# KiCad board austin.kicad_pcb (continued)
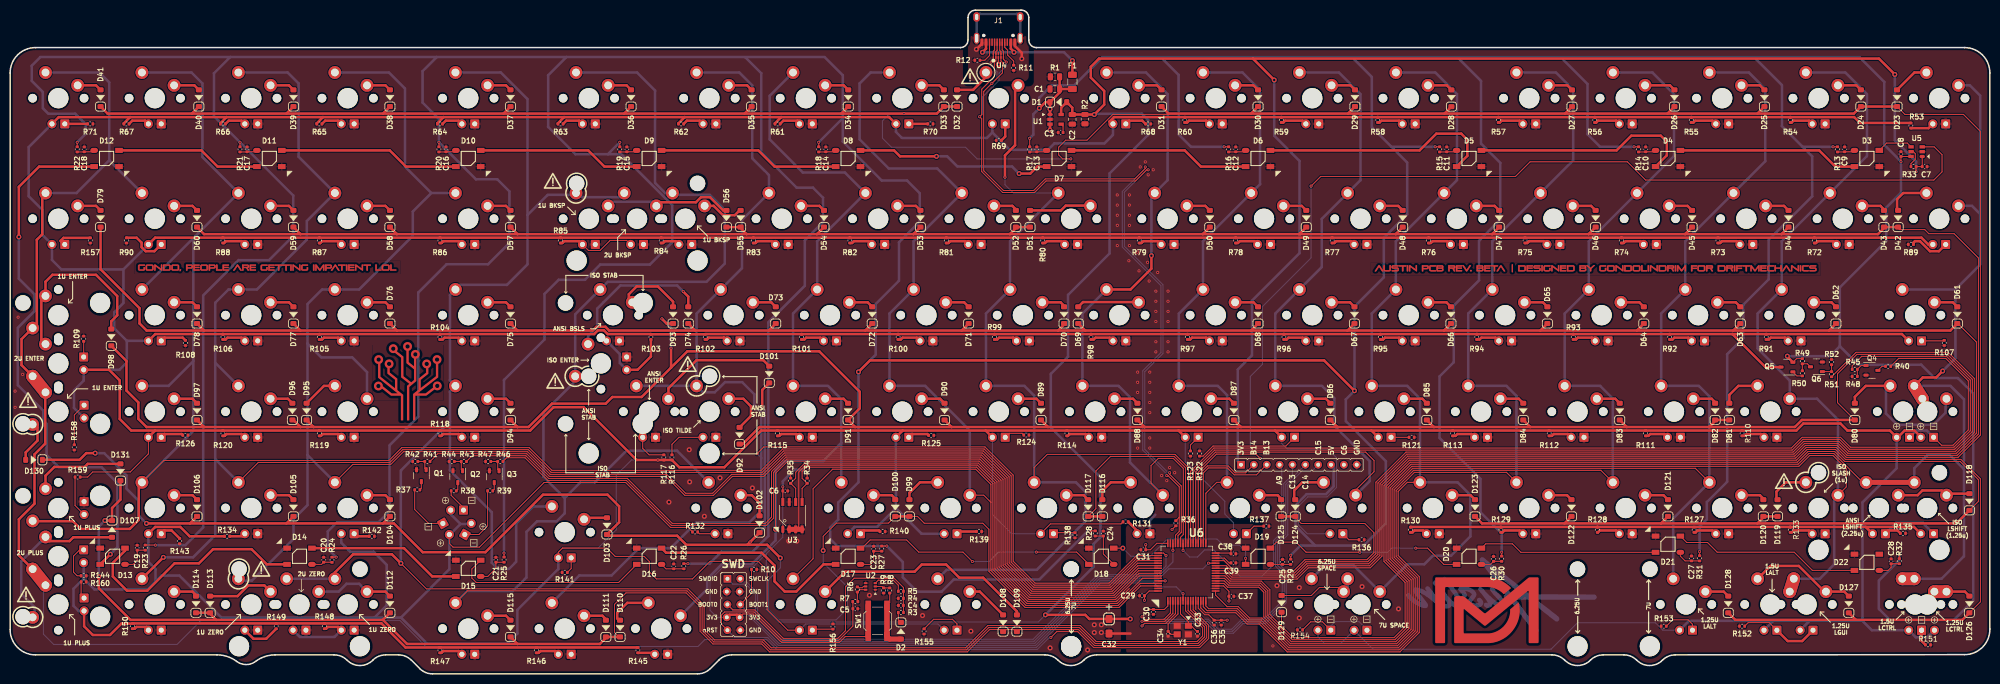
[diagram p0: board, top side]
## Routing (per net, layer and track width the routed paths; a pad name or vN(x,y) marks a point on that pad's centre or on a via; arc(x,y) is an arc through that point) (continued)
  Bottom w0.5: SW108.1 240.35,55.07 238.52,56.89 SW67.1 230.82,71.18 SW48.1 235.58,85.47 SW28.1 246.86,96.75 246.86,115.32 243.38,118.8 SW9.1
C8: length 143.2
  Top w0.2: SW98.2 225.33,37.62 225.33,41.13 226.76,42.56 229.73,42.56 231.7,40.59 231.7,27.52 231.15,26.97 231.15,25.8
  Top w0.5: 216.53,75.94 221.28,75.94 225.4,80.06 v1(225.4,82.61)
  Bottom w0.5: SW98.2 221.18,41.77 221.18,54.64 218.92,56.89 SW68.1 211.77,71.18 216.53,75.94 ; v1(225.4,82.61) 225.4,94.33 SW29.1 228.6,97.53 228.6,114.53 224.33,118.8 216.53,118.8
C9: length 204.5
  Top w0.2: 232.65,25.8 232.7,25.85 232.7,40.72 230.06,43.36 204.84,43.36 202.25,40.77 SW99.1
  Top w0.5: v2(196.48,98.11) 196.48,102.44 198.48,104.44 198.48,115.67 SW11.2
  Bottom w0.2: SW30.1 198.13,94.99 196.48,96.64 v2(196.48,98.11)
  Bottom w0.5: SW30.1 197.48,85.47 SW50.1 192.72,71.18 SW69.1 200.32,56.89 202.25,54.97 SW99.1 210.5,37.84 212.38,35.96 212.38,30.16 202.78,20.56 184.97,20.56 SW89.1
C10: length 235.8
  Top w0.2: 193.7,33.89 192.29,35.3 SW80.2 ; 193.7,33.89 193.7,20.44 200.62,13.52 218.85,13.52 223.2,17.87 U6.61 ; 193.7,33.89 193.7,37.43 190.7,40.43 162.45,40.43 158.59,36.57 158.59,22.75 SW90.1
  Bottom w0.5: 189.37,35.12 SW80.2 189.55,48.07 180.72,56.89 SW70.1 173.67,71.18 SW51.1 178.43,85.47 SW31.1 183.11,99.84 173.53,99.84 167.77,105.59 167.77,116.63 169.94,118.8 SW12.1
C11: length 275.3
  Top w0.2: v1(151.18,28.56) 151.18,39.64 153.58,42.04 191.37,42.04 195.3,38.1 195.3,21.1 201.28,15.12 218.18,15.12 222.93,19.87 U6.57
  Bottom w0.5: 164.15,45.64 SW81.1 ; 164.15,45.64 164.15,54.27 161.52,56.89 SW71.1 154.62,71.18 SW52.1 159.38,85.47 SW32.1 164.86,99.04 156.57,99.04 150.01,105.59 150.01,114.19 SW13.1 ; 164.15,45.64 160.55,42.04 152.98,42.04 151.18,40.24 v1(151.18,28.56) 151.18,26.36 146.5,21.69 140.6,21.69 137.67,18.76 137.67,16.76 SW91.2
C12: length 281.1
  Top w0.2: U6.50 222.47,23.37 217.02,17.92 202.44,17.92 198.1,22.26 198.1,39.26 192.53,44.84 148.86,44.84 v2(147.52,43.49)
  Bottom w0.2: v2(147.52,43.49) 148.35,42.67
  Bottom w0.5: SW72.1 136.84,55.62 139.16,55.62 141.18,57.64 144.58,57.64 146.98,55.24 146.98,53.03 148.35,51.66 148.35,32.27 145.97,29.89 135.52,29.89 130.46,24.83 124.17,24.83 118.78,19.44 112.41,19.44 SW92.1 ; SW72.1 SW82.1 ; SW72.1 135.57,71.18 SW53.1 144.53,80.14 144.53,89.66 SW33.1 149.86,98.55 146.58,101.84 146.58,116.24 144.01,118.8 SW14.1
C13: length 377.1
  Top w0.2: U6.9 232.65,12.53 235.91,9.27 235.91,7.32 234.58,5.99 214.34,5.99 211.18,9.15 193.27,9.15 188.87,4.75 150.15,4.75 148.6,6.31 138.97,6.31 136.66,8.62 136.66,13.42 133.68,16.4 90.32,16.4 SW96.1
  Bottom w0.5: SW15.1 123.81,118.8 127.38,115.24 127.38,96.98 129.37,94.99 SW34.1 131.18,94.62 138.17,94.62 141.14,91.65 141.14,81.05 137.54,77.45 118.04,77.45 SW73.1 111.6,71.02 SW54.1 111.6,57.82 105.33,51.55 105.33,38.94 109.53,34.74 ; 109.53,34.74 112.59,37.79 115.42,37.79 121.72,44.09 131.7,44.09 SW83.1 ; 109.53,34.74 109.53,31.74 107.93,30.14 104.05,30.14 101.98,28.06 101.98,19.05 99.27,16.34 90.26,16.34 SW96.1
C14: length 404.8
  Top w0.2: U6.8 232.15,12.46 235.51,9.1 235.51,7.48 234.42,6.39 214.51,6.39 211.35,9.55 193.1,9.55 188.71,5.15 150.32,5.15 148.77,6.71 139.14,6.71 137.06,8.78 137.06,13.58 133.85,16.8 82.22,16.8 v1(77.18,21.84)
  Top w0.5: v1(77.18,21.84) 75.39,23.62 67.72,23.62 64.13,20.03 SW93.1
  Bottom w0.5: 86.86,49.87 77.18,40.19 v1(77.18,21.84) ; 86.86,49.87 86.86,40.21 95.13,31.94 95.13,21.94 96.33,20.74 98.53,20.74 99.93,22.14 99.93,29.74 103.27,33.08 107,33.08 ; 86.86,49.87 86.86,55.8 SW74.1 86.86,57.98 86.86,74.85 SW55.1 88.85,76.85 98.12,76.85 102.18,80.9 102.18,90.64 ; 112.44,94.77 113.04,94.17 120.46,94.17 SW40.1 ; 102.18,90.64 106.16,94.62 111.76,94.62 ; 102.18,90.64 102.18,113.53 96.91,118.8 SW16.1 ; SW97.1 SW93.1
C15: length 362.9
  Top w0.2: U6.53 222.67,21.87 217.52,16.72 201.94,16.72 196.9,21.76 196.9,38.76 192.03,43.64 152.91,43.64 148.68,39.41 142.49,39.41 138.76,35.68 133.4,35.68 129.67,39.41 106.67,39.41 102.19,43.89 77.69,43.89 75.16,41.37 67.66,41.37 SW85.1
  Bottom w0.5: SW36.1 83.18,94.99 ; 83.18,94.99 79.53,91.34 79.53,86.54 68.94,75.94 SW56.1 61.62,75.94 58.73,73.05 58.73,65.24 ; 83.18,94.99 77.98,100.2 77.98,115.64 74.81,118.8 SW17.1 ; 58.73,43.24 58.73,65.24 ; 58.73,43.24 58.73,33.34 55.97,30.57 55.97,26.66 47.72,18.42 47.72,18.42 45.08,18.42 ; 58.73,43.24 SW85.1 ; 58.73,65.24 61.44,62.52 67.57,62.52 70.48,59.61 SW75.2
C16: length 360.2
  Top w0.2: U6.52 222.61,22.37 217.36,17.12 202.11,17.12 197.3,21.93 197.3,38.93 192.19,44.04 152.74,44.04 148.52,39.81 106.84,39.81 102.36,44.29 77.52,44.29 75,41.77 49.01,41.77 SW86.1
  Top w0.5: v1(30.26,23.02) SW95.1
  Bottom w0.5: 40.51,61.47 40.51,42.42 ; 40.51,61.47 SW76.1 ; 40.51,61.47 40.51,73.3 43.14,75.94 SW57.1 48.74,75.94 58.61,85.81 58.61,89.46 SW37.1 56.98,102.15 56.98,116.64 54.81,118.8 SW18.1 ; 40.51,42.42 SW86.1 ; 40.51,42.42 40.51,27.4 36.12,23.02 v1(30.26,23.02)
C17: length 390.4
  Top w0.2: U6.51 222.54,22.87 217.19,17.52 202.27,17.52 197.7,22.09 197.7,39.09 192.36,44.44 152.57,44.44 148.35,40.21 107,40.21 102.52,44.69 77.35,44.69 74.83,42.17 30.36,42.17 SW87.1
  Top w0.5: SW87.1 25.4,37.21 25.4,30.41 23.63,28.64 13.93,28.64 12.4,30.17 4.5,30.17 SW119.1
  Bottom w0.5: 25.42,37.23 SW87.1 36.18,47.99 36.18,61.79 ; 36.18,61.79 31.29,56.89 SW77.1 ; 36.18,61.79 36.18,86.09 ; 36.18,86.09 SW38.1 37.98,102.1 37.98,116.64 35.81,118.8 SW19.1 ; 36.18,86.09 SW58.1
C18: length 398.3
  Top w0.2: U6.11 233.65,12.66 236.71,9.6 236.71,6.99 234.91,5.19 214.01,5.19 210.85,8.35 206.7,8.35 v2(205.54,7.19)
  Top w0.5: SW116.2 6.93,55.57 6.93,45.49 4.81,43.37 4.81,33.62 1.72,30.53 1.72,23.42 SW88.1 ; SW59.1 6.35,94.36 6.35,86.84 5.26,85.75 5.26,69.14 SW117.1 2.25,66.13 2.25,60.99 SW78.1
  Top w2.54: SW78.1 SW116.2 ; SW88.1 SW118.2
  Bottom w0.2: 6.57,18.79 6.57,7.84 8.6,5.81 32.96,5.81 37.71,10.57 76.97,10.57 82.13,5.4 135.84,5.4 137.21,6.77 149.45,6.77 151.39,4.84 202.86,4.84 205.21,7.19 v2(205.54,7.19)
  Bottom w0.5: SW20.1 17.61,118.8 19.58,116.84 19.58,101.45 ; 19.58,101.45 13.12,94.99 SW59.1 ; 19.58,101.45 SW39.1
CAPS_INDICATOR: length 209.9
  Top w0.2: 233.15,25.8 233.15,40.02 237.74,44.61 351.79,44.61 353.91,46.73 361.5,46.73 363.46,44.77 383.89,44.77 387.14,48.02 387.14,58.03 382.44,62.72 365.68,62.72 363.8,60.85 R45.1
D+: length 157.4
  Top w0.2: 230.89,30.91 230.9,30.92 230.9,36.96 228.72,39.13 228.4,39.13 ; 230.89,30.91 R36.1 ; 230.89,30.91 230.9,30.9 230.9,28.12 230.15,27.37 230.15,25.8 ; J1.B6 194.43,123.25 194.18,123 U4.10 U4.1 194.18,121.29 v2(193.75,120.86) ; v2(224.2,100.14) 224.2,99.86 222.12,97.78 204.44,97.78 202.15,95.49 196.19,95.49 192.28,99.4 192.28,115.05 v2(193.89,116.65) 195.98,118.75 195.98,120.78 195.68,121.08 U4.4 U4.7 195.68,122.94 195.44,123.19 J1.A6
  Bottom w0.2: v2(193.75,120.86) 193.75,120.12 194.92,118.96 194.92,117.68 v2(193.89,116.65) ; v2(228.44,39.17) 228.44,39.45 223.68,44.21 223.68,59.86 227.28,63.46 227.28,76.69 219.66,84.32 219.66,95.32 224.2,99.86 v2(224.2,100.14)
D-: length 164.8
  Top w0.2: J1.B7 195.93,123.26 196.18,123.01 U4.6 U4.5 196.18,121.42 v2(196.75,120.86) ; v2(229,39.74) 229,39.42 231.3,37.12 231.3,27.96 230.65,27.31 230.65,25.8 ; J1.A7 194.93,123.19 194.68,122.94 U4.9 U4.2 194.68,121.08 194.38,120.78 194.38,118 191.88,115.5 191.88,110.46 v2(191.48,110.06) 191.88,109.66 191.88,99.23 196.02,95.09 202.32,95.09 204.6,97.38 222.28,97.38 224.48,99.58 v2(224.77,99.58)
  Bottom w0.2: v2(196.75,120.86) 196.75,120.12 195.32,118.69 195.32,117.23 192.01,113.93 192.01,110.59 v2(191.48,110.06) ; v2(224.77,99.58) 224.48,99.58 220.06,95.15 220.06,84.48 227.68,76.86 227.68,63.29 224.08,59.69 224.08,44.37 228.72,39.74 v2(229,39.74)
E-PA9: length 44.1
  Top w0.2: v2(231.65,24.4) 231.65,25.8
  Bottom w0.2: X2.4 251.14,40.9 251.14,27.95 249.54,26.35 249.54,21.6 247.26,19.32 242.88,19.32 237.71,24.49 235.91,24.49 234.51,23.09 232.96,23.09 v2(231.65,24.4)
E-PB13: length 28.2
  Top w0.2: 248.14,41.32 246.14,39.32 241.76,39.32 240.39,40.68 236.64,40.68 235.65,39.69 235.65,25.8
E-PB14: length 26.2
  Top w0.2: 245.6,41.32 244,39.72 241.92,39.72 240.56,41.08 236.48,41.08 235.15,39.75 235.15,25.8
E-PC13: length 68.6
  Top w0.2: U6.2 229.15,12.03 227.9,10.78 224.05,10.78 v2(223.55,11.28)
  Bottom w0.2: X2.5 253.26,39.34 251.54,37.62 251.54,27.79 249.94,26.19 249.94,21.25 251.22,19.97 251.22,14.4 247.6,10.78 243.2,10.78 241.26,8.83 238.62,8.83 236.67,10.78 224.05,10.78 v2(223.55,11.28)
E-PC14: length 70.4
  Top w0.2: U6.3 229.65,11.96 228.07,10.38 v2(223.55,10.38)
  Bottom w0.2: v2(223.55,10.38) 236.5,10.38 238.45,8.43 241.42,8.43 243.37,10.38 247.77,10.38 251.62,14.23 251.62,20.13 250.34,21.42 250.34,26.02 251.94,27.62 251.94,37.46 X2.6
E-PC15: length 74.2
  Top w0.2: U6.4 230.15,11.89 228.23,9.98 224.05,9.98 v2(223.55,9.48)
  Bottom w0.2: X2.7 257.14,40.12 255.17,40.12 252.34,37.29 252.34,27.45 250.74,25.85 250.74,21.59 252.02,20.3 252.02,14.07 ; 252,14.04 247.94,9.98 243.54,9.98 241.59,8.03 238.28,8.03 236.34,9.98 224.05,9.98 v2(223.55,9.48)
INDICATOR1: length 174.3
  Top w0.2: U6.54 222.74,21.37 217.69,16.32 201.78,16.32 196.5,21.6 196.5,38.6 191.86,43.24 153.08,43.24 148.85,39.01 142.65,39.01 138.92,35.28 133.23,35.28 129.5,39.01 106.51,39.01 102.02,43.49 84.46,43.49 R41.1
INDICATOR2: length 176.5
  Top w0.2: U6.55 222.8,20.87 217.85,15.92 201.61,15.92 196.1,21.43 196.1,38.43 191.7,42.84 153.24,42.84 150.38,39.97 150.38,30.96 149.6,30.18 149.6,30.14 149.19,29.73 130.77,29.73 121.9,38.61 106.34,38.61 101.86,43.09 91.26,43.09 R43.1
INDICATOR3: length 169.1
  Top w0.2: U6.56 222.87,20.37 218.02,15.52 201.44,15.52 195.7,21.26 195.7,38.26 191.53,42.44 153.41,42.44 150.78,39.8 150.78,30.76 149.35,29.33 130.61,29.33 121.73,38.21 106.18,38.21 101.69,42.69 98.06,42.69 R46.1
LED_PWM: length 214.9
  Top w0.2: U6.27 240.17,21.37 241.62,19.92 253.67,19.92 255.9,22.15 268.13,22.15 269.74,23.76 269.74,37.86 275.69,43.81 352.12,43.81 354.24,45.93 361.17,45.93 363.13,43.97 384.22,43.97 387.94,47.69 387.94,58.36 382.77,63.52 364.57,63.52 R51.1
LED_SIGNAL: length 2554
  Top w0.2: R131.1 219.39,29.63 205.46,29.63 LED83.A ; R159.1 15.31,38.89 16.31,39.89 23.72,39.89 27.3,43.47 LED67.A ; LED106.A 153.58,8.64 149.52,12.69 149.52,20.45 147.74,22.24 138.23,22.24 134.75,18.76 127.64,18.76 126.24,20.16 126.24,22.19 125.23,23.21 119.51,23.21 117.86,24.85 109.09,24.85 108.27,24.03 LED86.A ; R132.1 133.87,28.93 130.44,28.93 121.56,37.81 105.45,37.81 92.68,25.04 87.48,25.04 86.74,25.77 LEDNUM1.A
  Top w0.5: 340.15,67.12 346.78,67.12 R91.1 346.86,67.12 373.63,67.12 LED42.A ; 340.15,67.12 346.66,60.61 Q5.3 ; 340.15,67.12 327.81,67.12 R92.1 327.73,67.12 308.76,67.12 R93.1 308.68,67.12 289.71,67.12 R94.1 289.63,67.12 270.66,67.12 R95.1 270.58,67.12 251.61,67.12 R96.1 251.53,67.12 232.56,67.12 R97.1 232.48,67.12 213.51,67.12 R98.1 213.43,67.12 194.46,67.12 R99.1 194.38,67.12 175.41,67.12 R100.1 175.33,67.12 156.36,67.12 R101.1 156.28,67.12 137.31,67.12 ; 133.22,109.99 109.41,109.99 ; 133.22,109.99 152.27,109.99 ; 133.22,109.99 132,108.77 R62.1 ; 109.41,109.99 85.59,109.99 ; 109.41,109.99 108.19,108.77 R63.1 ; LED6.A 9.59,109.99 23.68,109.99 ; LED3.A 217.58,108.65 217.12,109.1 218.01,109.99 231.97,109.99 R60.1 232.05,109.99 251.02,109.99 R59.1 251.1,109.99 270.07,109.99 R58.1 270.15,109.99 293.89,109.99 R57.1 293.97,109.99 312.94,109.99 R56.1 313.02,109.99 331.99,109.99 R55.1 332.07,109.99 351.55,109.99 R54.1 351.63,109.99 364.2,109.99 365.35,108.83 R53.1 ; 85.59,109.99 84.38,108.77 R64.1 ; 85.59,109.99 61.78,109.99 ; 28.64,48.07 LED67.A ; 28.64,48.07 23.92,48.07 21.64,50.36 21.64,57.97 19.55,60.07 LED44.A ; 28.64,48.07 41.98,48.07 R120.1 42.06,48.07 61.03,48.07 R119.1 61.11,48.07 84.85,48.07 R118.1 84.93,48.07 102.71,48.07 107.33,52.69 113.3,52.69 123.73,42.25 v2(127.92,42.25) R117.1 R116.1 132.15,40.81 141.07,40.81 148.33,48.07 151.52,48.07 R115.1 151.6,48.07 176.28,48.07 ; 23.68,109.99 22.46,108.77 R67.1 ; 23.68,109.99 42.73,109.99 ; 230.75,48.07 249.8,48.07 ; 230.75,48.07 208.75,48.07 R114.1 208.67,48.07 192.65,48.07 ; 230.75,48.07 LED64.A ; 249.8,48.07 268.85,48.07 ; 249.8,48.07 LED63.A ; 366.48,29.02 LED80.A ; 366.48,29.02 351.63,29.02 R133.1 351.55,29.02 313.53,29.02 R128.1 313.45,29.02 294.48,29.02 R129.1 294.4,29.02 276.62,29.02 R130.1 ; 366.48,29.02 376.01,29.02 LED79.A ; LED43.A 28.64,67.12 41.98,67.12 R106.1 42.06,67.12 61.03,67.12 R105.1 61.11,67.12 84.85,67.12 R104.1 84.93,67.12 115.34,67.12 116.08,67.87 117.28,67.87 118.02,67.12 126.52,67.12 R103.1 R102.1 ; 61.78,109.99 60.56,108.77 R65.1 ; 61.78,109.99 42.73,109.99 ; 152.27,109.99 173.6,109.99 LED5.A ; 152.27,109.99 151.05,108.77 R61.1 ; 176.28,48.07 192.65,48.07 ; 176.28,48.07 LED66.A ; 192.65,48.07 LED65.A ; LED88.A 28.64,29.02 33.61,29.02 35.44,27.19 R134.1 ; 42.73,109.99 41.51,108.77 R66.1 ; LED117.A 14.6,9.41 16.32,7.69 19.72,7.69 21.97,9.93 R150.1 24.21,9.97 52.51,9.97 R149.1 52.59,9.97 62.03,9.97 R148.1 62.11,9.97 73.33,9.97 78.1,5.21 84.85,5.21 84.89,5.17 84.93,5.21 103.9,5.21 103.94,5.17 103.98,5.21 123.95,5.21 123.99,5.17 ; 268.85,48.07 LED62.A ; 268.85,48.07 284.87,48.07 R113.1 284.95,48.07 303.92,48.07 R112.1 304,48.07 322.97,48.07 R111.1 323.05,48.07 342.02,48.07 R110.1 342.1,48.07 352.78,48.07 354.16,49.46 361.49,49.46 362.87,48.07 371.25,48.07 LED2.A 372.82,46.74 374.15,48.07 376.1,48.07 377.35,46.82 LED1.A ; LED22.A 378.83,84.84 377.49,86.17 356.39,86.17 R72.2 356.31,86.17 337.34,86.17 R73.2 337.26,86.17 318.29,86.17 R74.2 318.21,86.17 299.24,86.17 R75.2 299.16,86.17 280.19,86.17 R76.2 280.11,86.17 261.14,86.17 R77.2 261.06,86.17 242.09,86.17 R78.2 242.01,86.17 223.04,86.17 R79.2 222.96,86.17 203.99,86.17 R80.2 203.91,86.17 184.94,86.17 R81.2 184.86,86.17 165.89,86.17 R82.2 165.81,86.17 146.84,86.17 R83.2 146.76,86.17 128.63,86.17 R84.1 128.55,86.17 108.74,86.17 R85.1 108.66,86.17 84.93,86.17 R86.1 84.85,86.17 61.11,86.17 R87.1 61.03,86.17 42.06,86.17 R88.1 41.98,86.17 28.64,86.17 LED23.A
  Bottom w0.2: LED65.A 193.99,31.5 197.8,27.69 LED83.A ; LED82.A 241.62,29.87 239.9,31.59 239.9,34.09 232.09,41.9 LED64.A ; LED105.A 183.25,9.86 157.11,9.86 LED106.A ; LED63.A 251.14,45.5 252.2,44.45 260.2,44.45 261.94,42.71 261.94,36.8 260.1,34.96 256.28,34.96 254.41,33.09 254.41,29.47 256.19,27.69 LED81.A ; LED103.A 258.29,7.3 259.6,5.99 262.79,5.99 LED104.A 269.17,4.89 304.35,4.89 309.55,10.09 324.95,10.09 326.4,8.64 LED102.A ; LED86.A 108.27,24 109.11,24.85 116.11,24.85 119.71,28.45 119.71,39.25 122.71,42.25 v2(127.92,42.25)
  Bottom w0.5: 23.05,65.79 LED43.A ; 23.05,65.79 23.05,61.53 21.58,60.07 LED44.A 14.52,57.93 12.6,56.01 12.6,52.54 LED115.A ; 23.05,65.79 20.57,68.26 20.57,71.46 22.37,73.26 22.37,79.91 ; LED66.A 174.94,32.75 ; 174.94,32.75 180.01,27.69 LED84.A ; 174.94,32.75 171.21,29.02 166.76,29.02 LED85.A ; 365.84,10.48 365.84,29.67 ; 365.84,10.48 355.38,10.48 ; 365.84,10.48 367.69,8.62 LED98.A 376.36,7.24 378.66,7.24 LED99.A ; 365.84,29.67 365.84,33.87 372.59,40.62 LED2.A ; 365.84,29.67 LED80.A ; 88.94,29.6 87,31.55 87,32.22 ; 88.94,29.6 86.74,27.4 86.74,20.67 77.2,11.12 ; 88.94,29.6 91.07,29.6 ; 14.52,18.81 LED89.A ; 14.52,18.81 16.64,16.69 27.12,16.69 28.72,18.29 ; 14.52,18.81 12.52,16.81 12.52,13.44 13.52,12.44 LED117.A ; 355.38,10.48 LED101.A ; 355.38,10.48 348.24,10.48 ; 348.24,10.48 LED100.A ; 348.24,10.48 331.57,10.48 LED102.A ; 77.2,11.12 82.36,5.95 98.18,5.95 100.18,7.95 100.18,12.64 108.27,20.73 LED86.A ; 77.2,11.12 71.94,11.12 ; 65.4,27.69 65.4,25.91 67.17,24.14 71.77,24.14 74.37,21.54 74.37,13.54 71.94,11.12 ; 22.37,79.91 10.13,79.91 8.25,81.78 LED107.A 6.46,86.63 6.46,91.55 3.66,94.35 3.66,104.06 LED6.A ; 22.37,79.91 LED23.A ; 71.94,11.12 41.72,11.12 33.42,19.42 29.85,19.42 28.72,18.29 ; 193.99,106.95 197.4,103.54 204.98,103.54 206.24,104.79 216.12,104.79 217.8,106.47 LED3.A ; 193.99,106.95 192.92,105.88 176.12,105.88 174.94,107.06 LED5.A ; 193.99,106.95 LED4.A ; 28.72,18.29 28.72,20.69 27.3,22.11 LED88.A
NRST: length 137
  Top w0.2: U6.7 v2(231.65,15.85) ; R7.2 166.44,14.24 C5.1 166.44,9.44 163.62,6.62 152.53,6.62 146.91,12.23 141.1,12.23 140.48,11.61 140.48,9.82 X1.9
  Bottom w0.2: v2(231.65,15.85) 230.31,17.19 226.69,17.19 225.9,17.97 215.43,17.97 202.7,5.24 151.55,5.24 149.62,7.17 143.13,7.17 X1.9
PB2/BOOT1: length 111.4
  Top w0.2: R10.1 146.43,15.93 X1.6 ; U6.28 v2(236.67,21.87)
  Bottom w0.2: X1.6 151.88,6.04 202.37,6.04 215.1,18.77 226.87,18.77 228.85,20.75 235.55,20.75 v2(236.67,21.87)
R0: length 669.7
  Top w0.2: v2(209.48,101.74) 207.88,101.74 207.08,102.54 207.08,104.04 208.48,105.44 212.68,105.44 217.78,110.54 228.65,110.54 228.8,110.69 ; D23.1 374.22,110.52 385.77,110.52 389.14,107.16 389.14,47.19 384.71,42.77 362.63,42.77 360.67,44.73 354.74,44.73 352.61,42.61 276.19,42.61 270.94,37.36 270.94,23.26 268.63,20.95 256.39,20.95 254.16,18.72 241.12,18.72 239.97,19.87 U6.24
  Top w0.5: 73.62,110.69 97.44,110.69 ; 73.62,110.69 D38.1 ; 73.62,110.69 54.57,110.69 ; 97.44,110.69 121.25,110.69 ; 97.44,110.69 D37.1 ; 35.89,110.69 19.25,110.69 D41.1 ; 35.89,110.69 D40.1 ; 35.89,110.69 54.57,110.69 ; 121.25,110.69 145.06,110.69 ; 121.25,110.69 D36.1 ; 145.06,110.69 D35.1 ; 145.06,110.69 164.14,110.69 ; D23.1 D24.1 364.14,110.69 345.09,110.69 ; 283.28,110.69 D28.1 ; 283.28,110.69 307.1,110.69 ; 283.28,110.69 264.22,110.69 ; 164.14,110.69 v2(176.54,110.69) 183.03,110.69 D33.1 D32.1 ; 164.14,110.69 D34.1 ; D31.1 228.8,110.69 245.07,110.69 ; 327.32,110.69 345.09,110.69 ; 327.32,110.69 307.1,110.69 ; 327.32,110.69 D26.1 ; 345.09,110.69 D25.1 ; 245.07,110.69 D30.1 ; 245.07,110.69 264.22,110.69 ; 307.1,110.69 D27.1 ; 54.57,110.69 D39.1 ; 264.22,110.69 D29.1
  Bottom w0.2: v2(209.48,101.74) 190.98,101.74 188.68,104.04 174.08,104.04 172.28,105.84 172.28,109.23 173.74,110.69 v2(176.54,110.69)
R1: length 595.7
  Top w0.2: 372.67,88.26 373.17,87.76 378.14,87.76 378.94,86.96 383.94,86.96 388.74,82.16 388.74,47.36 384.55,43.17 362.8,43.17 360.84,45.13 354.57,45.13 352.45,43.01 276.02,43.01 270.54,37.53 270.54,23.43 268.47,21.35 256.23,21.35 254,19.12 241.29,19.12 240.04,20.37 U6.25
  Top w0.5: 159.35,86.87 145.45,86.87 ; 159.35,86.87 178.4,86.87 ; 159.35,86.87 D54.1 ; 145.45,86.87 100.21,86.87 ; 145.45,86.87 144.07,88.26 141.68,88.26 ; 235.55,86.87 197.45,86.87 ; 235.55,86.87 254.6,86.87 ; 235.55,86.87 D50.1 ; 197.45,86.87 198.83,88.26 ; 197.45,86.87 178.4,86.87 ; 372.67,88.26 370.28,88.26 368.9,86.87 349.85,86.87 ; 292.7,86.87 311.75,86.87 ; 292.7,86.87 273.65,86.87 ; 292.7,86.87 D47.1 ; 311.75,86.87 D46.1 ; 311.75,86.87 330.8,86.87 ; 178.4,86.87 D53.1 ; 254.6,86.87 273.65,86.87 ; 254.6,86.87 D49.1 ; 330.8,86.87 349.85,86.87 ; 330.8,86.87 D45.1 ; 349.85,86.87 D44.1 ; 57.35,86.87 D59.1 ; 57.35,86.87 76.4,86.87 ; 57.35,86.87 38.3,86.87 D60.1 ; 273.65,86.87 D48.1 ; 76.4,86.87 D58.1 ; 76.4,86.87 100.21,86.87 ; D52.1 D51.1 ; D57.1 100.21,86.87
R2: length 611.9
  Top w0.2: U6.26 240.11,20.87 241.46,19.52 253.83,19.52 256.06,21.75 268.3,21.75 270.14,23.59 270.14,37.69 275.86,43.41 352.28,43.41 354.41,45.53 361,45.53 362.97,43.57 384.38,43.57 388.34,47.53 388.34,65.56 384.69,69.21 D61.1
  Top w0.5: 206.97,67.82 208.36,69.21 ; 206.97,67.82 212.34,67.82 ; 206.97,67.82 187.92,67.82 ; 321.27,67.82 D64.1 ; 321.27,67.82 302.22,67.82 ; 321.27,67.82 340.32,67.82 ; 149.82,67.82 D73.1 ; 149.82,67.82 168.87,67.82 ; 149.82,67.82 135.32,67.82 ; 340.32,67.82 359.22,67.82 ; 340.32,67.82 D63.1 ; 359.22,67.82 D62.1 ; 359.22,67.82 383.19,67.82 D61.1 ; 100.21,67.82 115.05,67.82 115.79,68.57 117.57,68.57 118.31,67.82 135.32,67.82 ; 100.21,67.82 76.4,67.82 ; 100.21,67.82 D75.1 ; 245.07,67.82 264.12,67.82 ; 245.07,67.82 212.34,67.82 ; 245.07,67.82 D68.1 ; 264.12,67.82 D67.1 ; 264.12,67.82 283.17,67.82 ; 76.4,67.82 D76.1 ; 76.4,67.82 57.35,67.82 ; 168.87,67.82 D72.1 ; 168.87,67.82 187.92,67.82 ; 135.32,67.82 D74.1 ; 57.35,67.82 D77.1 ; 57.35,67.82 38.3,67.82 ; 187.92,67.82 D71.1 ; 302.22,67.82 D65.1 ; 302.22,67.82 283.17,67.82 ; 283.17,67.82 D66.1 ; 38.3,67.82 26.96,67.82 25.55,69.24 25.55,72.24 17.86,79.93 D79.1 ; 38.3,67.82 D78.1 ; 212.34,67.82 D69.1
R3: length 664.9
  Top w0.2: D80.1 360.91,53.58 360.91,59.3 364.74,63.12 382.61,63.12 387.54,58.19 387.54,47.86 384.05,44.37 363.3,44.37 361.34,46.33 354.07,46.33 351.95,44.21 237.91,44.21 233.65,39.95 233.65,25.8
  Top w0.5: 224.03,48.77 204.98,48.77 ; 224.03,48.77 D88.1 ; 224.03,48.77 243.08,48.77 ; 204.98,48.77 D89.1 ; 204.98,48.77 185.93,48.77 ; 281.18,48.77 D85.1 ; 281.18,48.77 300.23,48.77 ; 281.18,48.77 262.13,48.77 ; 335.56,48.77 336.95,50.16 339.33,50.16 ; 335.56,48.77 319.28,48.77 ; 335.56,48.77 352.49,48.77 353.87,50.16 D80.1 ; D93.1 129.66,69.21 v2(128.73,70.14) ; 166.88,48.77 D91.1 167.8,52.46 167.8,55.72 159.8,63.72 133.75,63.72 130.53,60.5 ; 166.88,48.77 185.93,48.77 ; 166.88,48.77 148.04,48.77 144.67,45.4 D92.1 ; 243.08,48.77 D87.1 ; 243.08,48.77 262.13,48.77 ; 100.21,48.77 59.94,48.77 ; 100.21,48.77 D94.1 ; 100.21,48.77 102.41,48.77 107.02,53.39 117.62,53.39 118.93,54.69 124.72,54.69 130.53,60.5 ; 59.94,48.77 57.35,48.77 ; 59.94,48.77 D95.1 ; 130.53,60.5 v2(130.53,64.34) ; 300.23,48.77 D84.1 ; 300.23,48.77 319.28,48.77 ; 57.35,48.77 55.96,50.16 ; 57.35,48.77 38.3,48.77 ; 38.3,48.77 D97.1 ; 38.3,48.77 26.92,48.77 25.32,50.37 25.32,53.62 22.97,55.97 22.97,61.81 D98.1 ; 262.13,48.77 D86.1 ; 185.93,48.77 D90.1 ; 319.28,48.77 D83.1
  Bottom w0.5: v2(128.73,70.14) 130.53,68.34 v2(130.53,64.34)
R4: length 343.5
  Top w0.2: D100.1 173.49,29.79 163.18,29.79 160.58,27.19 v1(160.58,24.36) ; D99.1 179.2,31.11 180.55,29.76 192.11,29.76 193.3,28.56 193.3,20.27 200.45,13.12 219.01,13.12 223.26,17.37 U6.62
  Top w0.5: 145.6,25.49 149.52,25.49 v1(152.12,22.89) ; 145.6,25.49 133.54,25.49 131.74,27.29 118.12,27.29 D103.1 120.27,29.94 120.27,33.11 117.99,35.4 105.24,35.4 93.88,24.04 81.48,24.04 75.79,29.72 73.62,29.72 ; 145.6,25.49 v2(146.14,26.04) D102.1 ; 54.57,29.72 73.62,29.72 ; 54.57,29.72 D105.1 ; 54.57,29.72 35.52,29.72 ; 73.62,29.72 D104.1 ; 35.52,29.72 v1(26.92,29.72) ; 35.52,29.72 D106.1 ; v2(148.53,52.54) 148.53,56.09 D101.1 ; D130.1 13.71,42.29 15.04,43.61 v1(16.8,43.61) ; D99.1 D100.1
  Bottom w0.2: v1(152.12,22.89) 152.12,20.94 149.74,18.56 149.74,12.84 151.92,10.66 163.12,10.66 165.32,12.86 165.32,17.22 160.58,21.96 v1(160.58,24.36)
  Bottom w0.5: v2(148.53,52.54) 149.05,52.02 149.05,28.94 v2(146.14,26.04) ; v1(16.8,43.61) 18.57,43.61 22.97,39.21 22.97,36.61 25.37,34.21 25.37,31.27 v1(26.92,29.72)
R5: length 285.8
  Top w0.2: 120.25,7.3 119.35,8.2 119.35,13.71 121.64,16 133.52,16 136.26,13.25 136.26,8.45 138.8,5.91 148.43,5.91 149.99,4.35 189.04,4.35 193.43,8.75 195.71,8.75 D108.1 196.51,8.75 198.44,8.75 D109.1 199.24,8.75 211.02,8.75 214.18,5.59 234.75,5.59 236.31,7.15 236.31,9.43 233.15,12.59 U6.10
  Top w0.5: 40.68,10.67 39.29,12.06 ; 40.68,10.67 23.76,10.67 17.52,16.91 v1(17.52,19.21) ; 40.68,10.67 73.62,10.67 ; 100.21,5.91 78.39,5.91 73.62,10.67 ; 100.21,5.91 D115.1 ; 100.21,5.91 116.49,5.91 117.87,7.3 120.25,7.3 ; D112.1 73.62,10.67 ; D114.1 D113.1 ; D131.1 21.79,34.44 20.12,32.77 D107.1 v1(18.72,30.29)
  Bottom w0.5: v1(18.72,30.29) 17.52,29.09 v1(17.52,19.21)
R6: length 47.1
  Top w0.2: D117.1 214.44,32.64 214.44,40.07 217.32,42.96 229.9,42.96 232.15,40.71 232.15,25.8
  Top w0.5: D116.1 D117.1
R7: length 312.8
  Top w0.2: D118.1 388.74,34.09 388.74,38.36 385.13,41.97 362.3,41.97 360.34,43.93 355.07,43.93 352.95,41.81 276.52,41.81 271.74,37.03 271.74,22.4 275.9,18.23 275.9,9.16 273.5,6.75 253.21,6.75 248.4,11.57 248.4,16.45 246.93,17.92 240.79,17.92 239.84,18.87 U6.22
  Top w0.5: 306.99,29.72 D122.1 ; 306.99,29.72 290.71,29.72 D123.1 ; 306.99,29.72 326.04,29.72 ; 326.04,29.72 D121.1 ; 326.04,29.72 345.09,29.72 ; 345.09,29.72 346.47,31.11 348.85,31.11 ; 345.09,29.72 384.38,29.72 D118.1
R8: length 57
  Top w0.2: U6.29 239.74,22.37 241.79,20.32 253.5,20.32 255.73,22.55 267.97,22.55 269.34,23.92 269.34,27.91 267.54,29.71 255,29.71 253.6,31.11
  Top w0.5: 251.22,31.11 253.6,31.11
R9: length 280.2
  Top w0.2: 251.11,9.43 253.38,7.15 273.33,7.15 275.5,9.32 275.5,18.06 271.34,22.23 271.34,37.2 276.35,42.21 352.78,42.21 354.9,44.33 360.51,44.33 362.47,42.37 385.29,42.37 389.14,38.53 389.14,14.24 D126.1 ; 251.11,9.43 251.1,9.43 D129.1 251.1,12.49 ; 251.11,9.43 248.8,11.74 248.8,16.62 247.1,18.32 240.96,18.32 239.91,19.37 U6.23
  Top w0.5: 364.53,10.67 385.57,10.67 D126.1 ; 364.53,10.67 340.71,10.67 D128.1 ; 364.53,10.67 D127.1
RGB_3V3: length 224.3
  Top w0.2: v2(246.87,42.59) 246.05,43.41 238.24,43.41 234.65,39.82 234.65,25.8 ; U5.3 380,104.11 381.55,102.56 381.55,99.17 379.94,97.56 323,97.56 319.4,101.16 300.2,101.16 297.31,98.27 258.85,98.27 v2(256.94,96.36)
  Bottom w0.2: v2(246.87,42.59) 244.94,44.52 244.94,58.76 247.33,61.16 247.33,72.59 256.94,82.2 v2(256.94,96.36)
RGB_5V: length 7.2
  Top w0.2: D3.4 370.61,104.86 374.69,104.86 U5.4
SCL: length 102.1
  Top w0.2: U3.6 155.14,36.65 R35.2 155.14,38.65 155.14,39.83 156.95,41.64 191.2,41.64 194.9,37.93 194.9,20.93 201.11,14.72 218.35,14.72 223,19.37 U6.58
SDA: length 100.7
  Top w0.2: U6.59 223.63,18.87 218.68,13.92 200.78,13.92 194.1,20.6 194.1,37.6 190.87,40.84 157.28,40.84 156.41,39.97 156.41,38.65 R34.2 156.41,36.65 U3.5
